# Altium PCB Copy of HV_DCDC.PcbDoc
Units mm, origin at the board's own origin, x right, y up, seen from the top; angles counter-clockwise.
Board outline 116.33 x 120 mm, 2 copper layers (Top Layer, Bottom Layer); 126 components, 83 nets, 340 pads, 14 vias.
Unrouted connection lines stored in the file: 235.
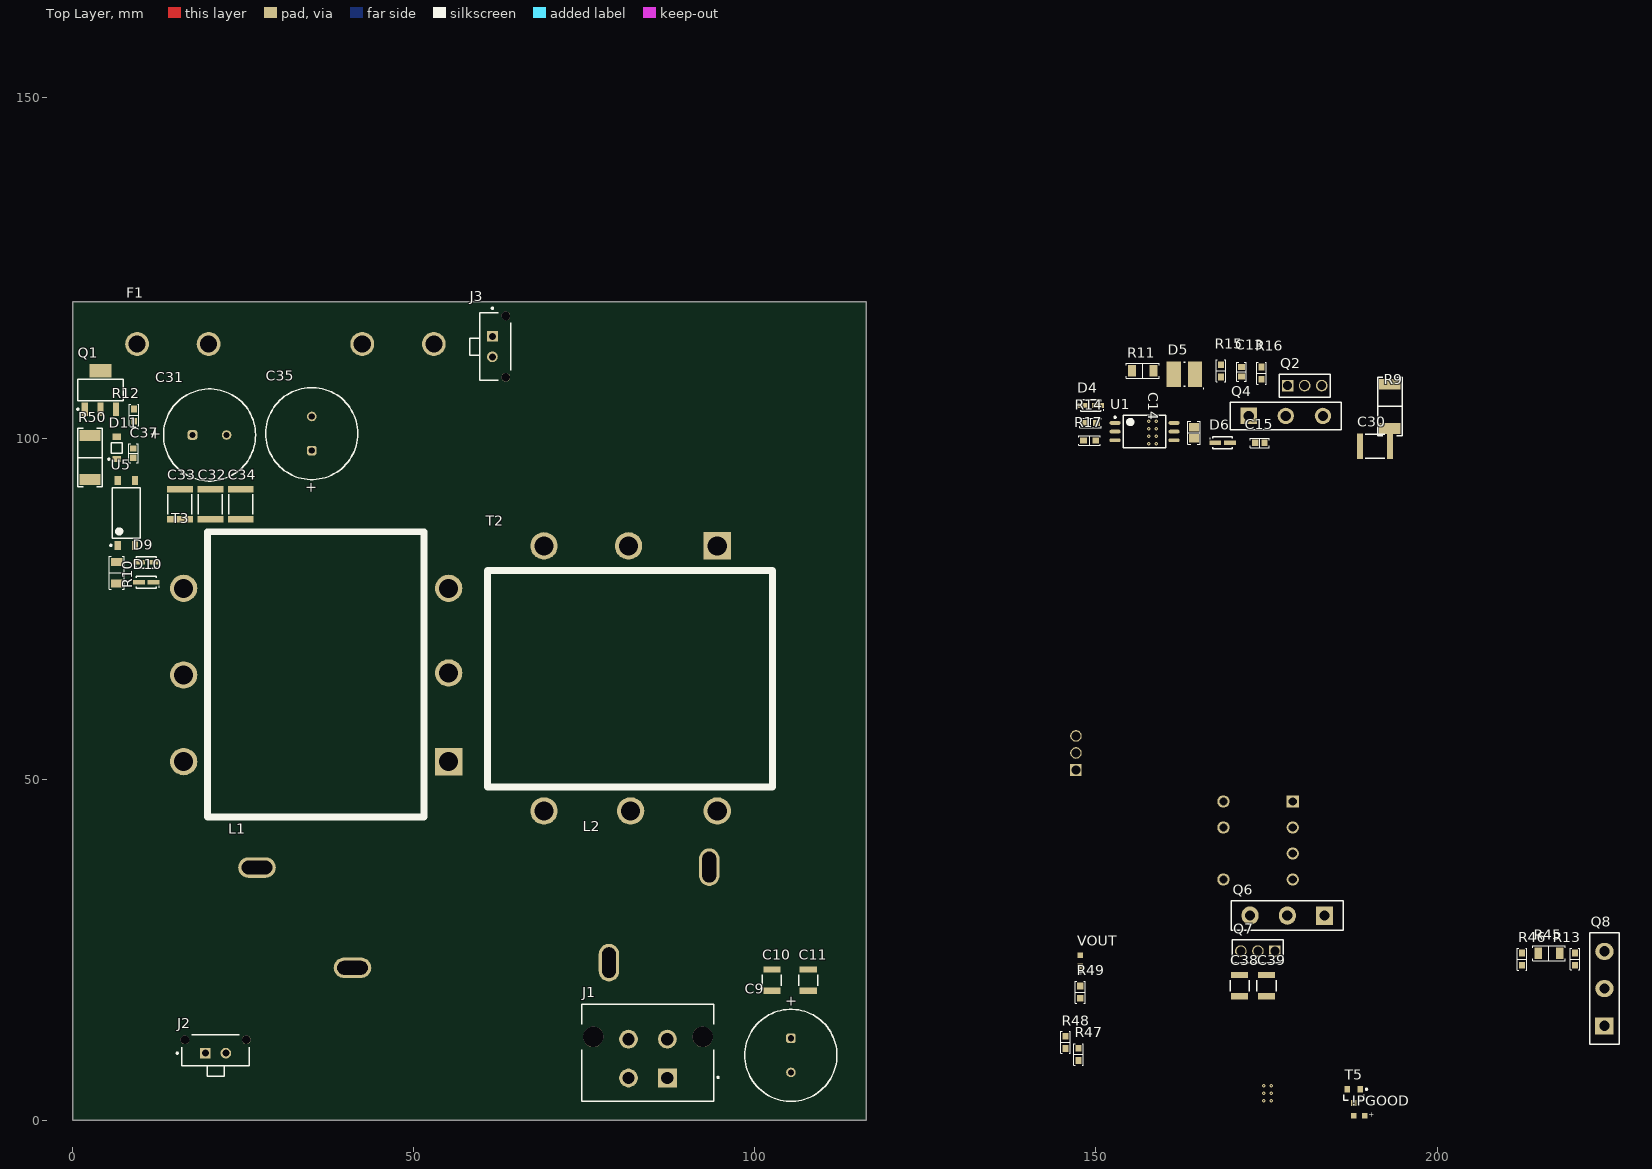
[diagram p0: Top Layer view]
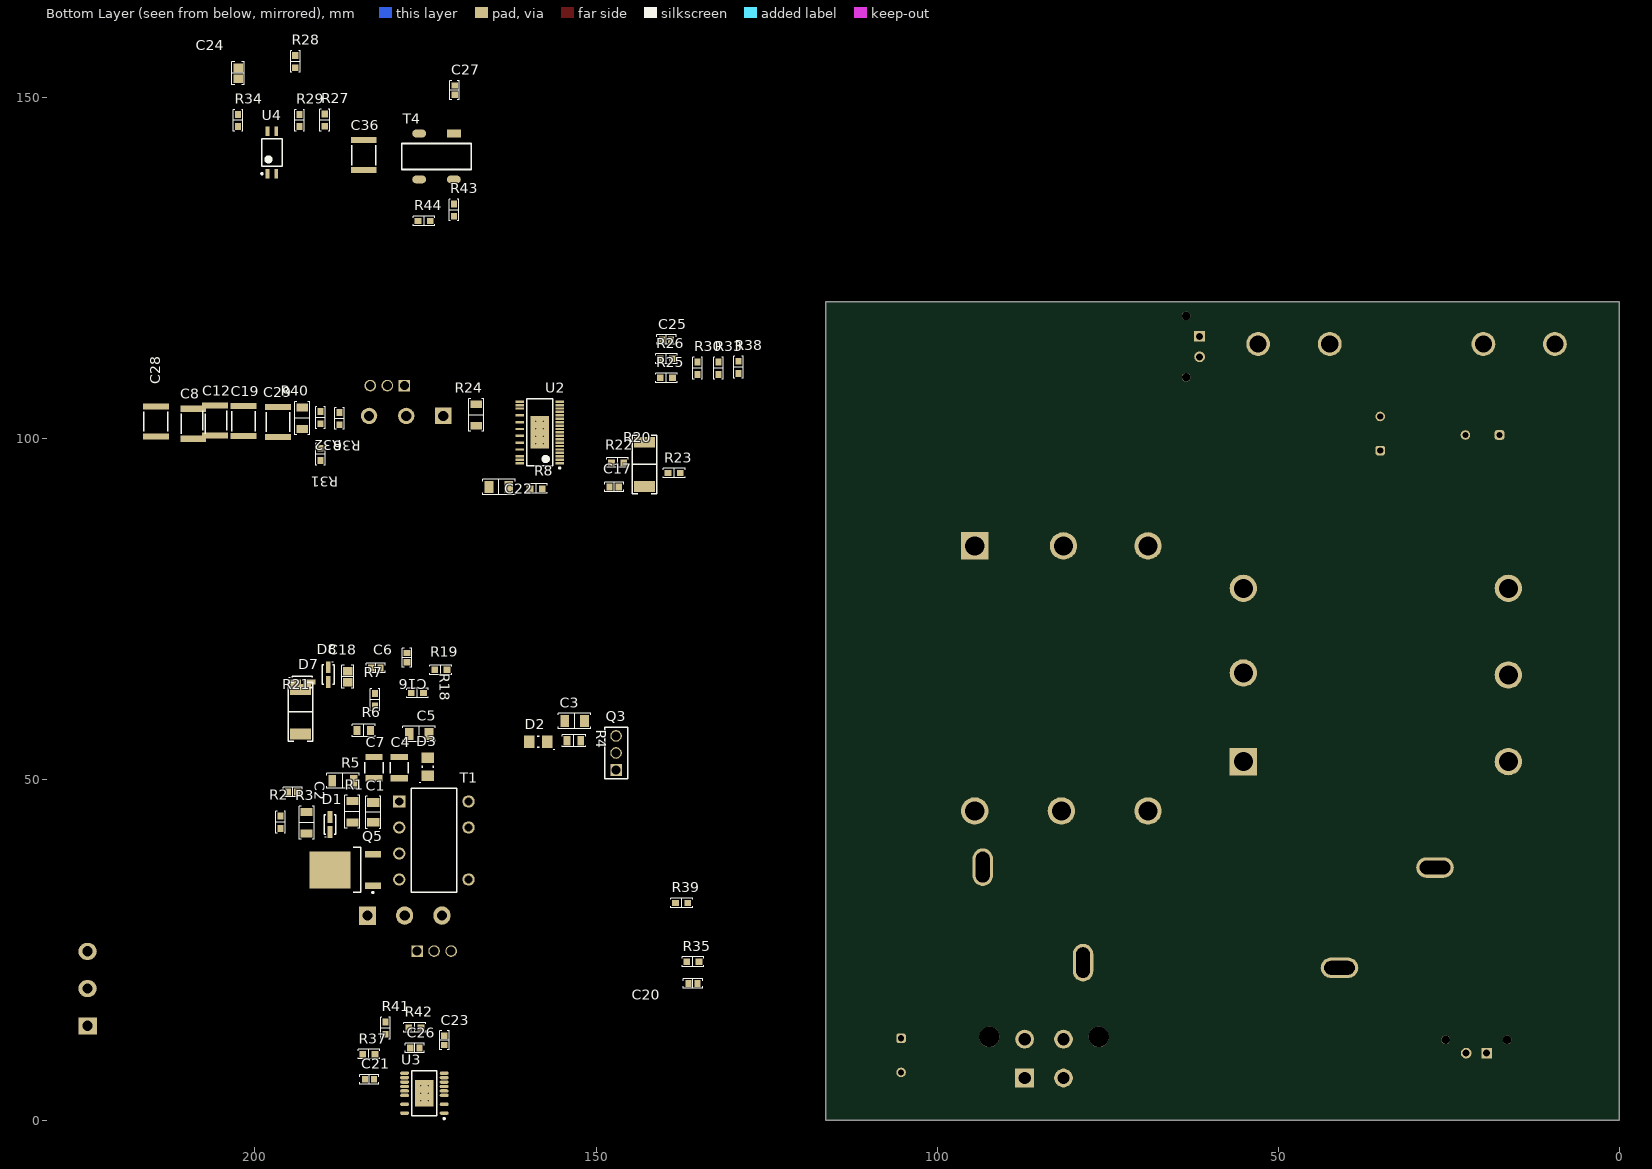
[diagram p1: Bottom Layer view, seen from below]

## Layer stack, top to bottom
Top Solder: solder mask 0.0102, Solder Resist, Dk 3.5
Top Layer: signal copper 0.0356
Dielectric 1: dielectric 0.32, FR-4, Dk 4.8
Bottom Layer: signal copper 0.0356
Bottom Solder: solder mask 0.0102, Solder Resist, Dk 3.5

## Board outline
0,0 116.332,0 116.332,120 0,120

## Design rules (kind name [scope] priority, off if disabled: settings)
Clearance [All] p1: gap=0.254 ignorepadtopadclearanceinfootprint=FALSE except(0: Arc-Hole Track-Hole SMDPad-Hole THPad-Hole Via-Hole Fill-Hole Poly-Hole Region-Hole Text-Hole)
PolygonConnect [All] p1: connectstyle=Relief reliefconductorwidth=0.254 reliefentries=4 polygonreliefangle="90 Angle" airgapwidth=0.254
RoutingVias [All] p1: holewidth=0.711 width=1.27 viastyle="Through Hole" minholewidth=0.711 minwidth=1.27 maxholewidth=0.711 maxwidth=1.27
SolderMaskExpansion [All] p1: expansion=0.102 istentingtop=FALSE
Width [All] p1: maxlimit=0.254 minlimit=0.254 preferedwidth=0.254
30 further rules are at their usual default settings.

## Components (designator, comment, footprint, x,y, rotation, side; value= is the part's Value field where it differs from the comment)
!PGOOD "Red, 2V" WL-SMCW_0603_H=0.7mm 188.595,0.675 r0 top
C1 "SMD Capacitor" "CAP 1206/3216" 182.658,45.138 r270 bottom value="OPT, 800V"
C2 "SMD Capacitor" "CAP 0603/1608" 194.469,48.133 r0 bottom value="150p, Opt"
C3 "SMD Capacitor" "CAP 1206/3216" 153.141,58.547 r0 bottom value="4.7uF, 16V"
C4 "22nF, 1000V" WCAP-CSMH_1210_H1.6 178.848,51.689 r270 bottom
C5 "SMD Capacitor" "CAP 1206/3216" 175.927,56.642 r180 bottom value="22uF, 16V"
C6 "SMD Capacitor" "CAP 0603/1608" 182.277,66.294 r180 bottom value=OPT
C7 "22nF, 1000V" WCAP-CSMH_1210_H1.6 182.531,51.689 r270 bottom
C8 "4.7nF, 2000V" WCAP-CSMH_1812_H2 209.042,102.108 r270 bottom
C9 "2200uF, 25V" WCAP-ATG8_D13H25 105.283,9.525 r90 top
C10 "22uF, 25V" WCAP-CSGP_1210_H=2.5mm 102.489,20.548 r90 top
C11 "22uF, 25V" WCAP-CSGP_1210_H=2.5mm 107.823,20.548 r90 top
C12 "4.7nF, 2000V" WCAP-CSMH_1812_H2 205.867,102.575 r270 bottom
C13 "SMD Capacitor" "CAP 0603/1608" 171.355,109.728 r270 top value=OPT
C14 "SMD Capacitor" "CAP 0805/2012" 164.37,100.785 r270 top value="220nF, 50V"
C15 "SMD Capacitor" "CAP 0603/1608" 174.022,99.314 r0 top value="470pF, 50V"
C16 "SMD Capacitor" "CAP 0603/1608" 177.705,67.818 r90 bottom value=3.3nF
C17 "SMD Capacitor" "CAP 0603/1608" 147.352,92.837 r180 bottom value="470nF, 6.3V"
C18 "SMD Capacitor" "CAP 0805/2012" 186.393,65.02 r90 bottom value="4.7uF, 16V"
C19 "4.7nF, 2000V" WCAP-CSMH_1812_H2 201.676,102.489 r270 bottom
C20 "SMD Capacitor" "CAP 0603/1608" 135.795,20.066 r180 bottom value="4.7uF, 16V"
C21 "SMD Capacitor" "CAP 0603/1608" 183.219,6.009 r0 bottom value="1uF, 6,3V"
C22 "SMD Capacitor" "CAP 1206/3216" 164.243,92.837 r0 bottom value="10uF, 16V"
C23 "SMD Capacitor" "CAP 0603/1608" 172.244,11.724 r270 bottom value="22nF, 16V"
C24 "SMD Capacitor" "CAP 0805/2012" 202.47,153.469 r270 bottom value="1uF, 16V"
C25 "SMD Capacitor" "CAP 0603/1608" 139.68,114.427 r180 bottom value="220nF, 6.3V"
C26 "SMD Capacitor" "CAP 0603/1608" 176.562,10.581 r180 bottom value="68pF, 25V"
C27 "SMD Capacitor" "CAP 0603/1608" 170.72,151.003 r270 bottom value=220p
C28 "4.7nF, 2000V" WCAP-CSMH_1812_H2 214.535,102.448 r90 bottom
C29 "4.7nF, 2000V" WCAP-CSMH_1812_H2 196.628,102.362 r270 bottom
C30 "4.7nF, 2000V" WCAP-CSMH_1812_H2 190.913,98.806 r180 top
C31 "6.8uF, 450V" WCAP-AT1H_D13H20 20.066,100.457 r180 top
C32 "100nF, 630V" WCAP-CSMH_1812_H2 20.193,90.297 r270 top
C33 "100nF, 630V" WCAP-CSMH_1812_H2 15.716,90.297 r270 top
C34 "100nF, 630V" WCAP-CSMH_1812_H2 24.638,90.297 r270 top
C35 "6.8uF, 450V" WCAP-AT1H_D13H20 35.052,100.671 r270 top
C36 "2.2nF, 3000V" WCAP-CSMH_1812_H2.5 184.055,141.478 r90 bottom
C37 "SMD Capacitor" "CAP 0603/1608" 8.89,97.79 r270 top value=100n
C38 "22uF, 25V" WCAP-CSGP_1210_H=2.5mm 171.069,19.725 r270 top
C39 "22uF, 25V" WCAP-CSGP_1210_H=2.5mm 175.006,19.725 r270 top
D1 "OPT" DIOM2715X18N 189.008,43.366 r90 bottom
D2 "SS10200HE_R1_00001" Chip2PinSM127P600-8N 158.456,55.499 r0 bottom
D3 "SS10200HE_R1_00001" Chip2PinSM127P600-8N 174.657,51.816 r90 bottom
D4 "OPT" DIOM2715X18N 149.253,104.767 r180 top
D5 "CMR1U-10TR13" "DIOC4536X24L CMR1U-10" 162.973,109.347 r180 top
D6 "OPT" DIOM2715X18N 168.561,99.314 r0 top
D7 "BAT46WH" DIOM2715X18N 193.072,64.262 r180 bottom
D8 "BAT46WH" DIOM2715X18N 189.262,65.337 r270 bottom
D9 "BAT46WH" DIOM2715X18N 10.795,81.788 r180 top
D10 "BAT46WH" DIOM2715X18N 10.795,78.867 r180 top
D11 "MMSZ4707T1G" ONSC-SOD-123-2-425-04_V 6.477,98.552 r90 top
F1 "10x38 Fuse Holder" "10x38 Fuse" 9.449,113.792 r0 top
J1 "1720650004" FP-1720650004-MFG 84.328,9.906 r0 top
J2 "43650-0229" FP-43650-0229-MFG 20.955,9.525 r180 top
J3 "43650-0229" FP-43650-0229-MFG 61.214,113.411 r90 top
L1 "AGM2222-562ME" AGM2222-562 27.021,37.052 r270 top
L2 "AGM2222-562ME" AGM2222-562 93.313,37.114 r180 top
Q1 "IPN70R450P7SATMA1" SOT230P700X180-4L 4.064,107.061 r90 top
Q2 "STF7N105K5" TO-220-3 178.094,107.696 r90 top
Q3 "IPP019N08NF2SAKMA1" TO-220-3 147.066,51.348 r0 bottom
Q4 "UJ3C120150K3S" TO-247-3 172.392,103.251 r90 top
Q5 "STD2NK100Z" "DPAK TO-252" 186.808,36.703 r0 bottom
Q6 "IXFK240N25X3" TO-264-3 183.514,30.012 r270 top
Q7 "IPP019N08NF2SAKMA1" TO-220-3 176.236,24.805 r270 top
Q8 "IXFK240N25X3" TO-264-3 224.536,13.844 r180 top
R1 "SMD Resistor" "STACKPOLE CSR1206" 185.706,45.212 r270 bottom value=OPT
R2 "SMD Resistor" "STACKPOLE CSR0603" 196.247,43.688 r270 bottom value=499
R3 "KDV12FR200ET" "STACKPOLE CSR1206" 192.437,43.612 r90 bottom value=200m
R4 "SMD Resistor" "STACKPOLE CSR0805" 153.245,55.626 r0 bottom value=10
R5 "SMD Resistor" "STACKPOLE CSR1206" 187.103,49.784 r0 bottom value=2
R6 "SMD Resistor" "STACKPOLE CSR0805" 184.055,57.15 r0 bottom value=10
R7 "SMD Resistor" "STACKPOLE CSR0603" 182.404,61.671 r90 bottom value=10k
R8 "SMD Resistor" "STACKPOLE CSR0603" 158.782,92.583 r180 bottom value=806
R9 "CRCW25122K20FKEG" "STACKPOLE CSRN2512" 193.072,104.648 r270 top value="2.3k, 500V, 1W"
R10 "SMD Resistor" "STACKPOLE CSR1206" 6.477,80.264 r270 top value=745
R11 "SMD Resistor" "STACKPOLE CSR1206" 156.877,109.855 r180 top value=4.42
R12 "SMD Resistor" "STACKPOLE CSR0603" 9.017,103.378 r270 top value=100k
R13 "SMD Resistor" "STACKPOLE CSR0603" 220.218,23.633 r270 top value=1k
R14 "SMD Resistor" "STACKPOLE CSR0603" 149.202,102.227 r0 top value=232
R15 "SMD Resistor" "STACKPOLE CSR0603" 168.307,109.855 r90 top value=3.3
R16 "SMD Resistor" "STACKPOLE CSR0603" 174.276,109.525 r90 top value=10k
R17 "SMD Resistor" "STACKPOLE CSR0603" 149.062,99.642 r0 top value=154
R18 "SMD Resistor" "STACKPOLE CSR0603" 176.181,62.611 r0 bottom value=28k
R19 "SMD Resistor" "STACKPOLE CSR0603" 172.752,66.04 r180 bottom value=78.7k
R20 "CHV2512-FX-1004ELF" "STACKPOLE CSRN2512" 142.875,96.139 r270 bottom value="1M, 3kV, 1W"
R21 "RCV2512750KFKEGAT" "STACKPOLE CSRN2512" 193.326,59.893 r270 bottom value="750k, 3kV, 1W"
R22 "SMD Resistor" "STACKPOLE CSR0603" 146.844,96.393 r180 bottom value=148k
R23 "SMD Resistor" "STACKPOLE CSR0603" 138.557,94.869 r180 bottom value=3.47k
R24 "SMD Resistor" "STACKPOLE CSR1206" 167.545,103.378 r90 bottom value=0
R25 "SMD Resistor" "STACKPOLE CSR0603" 139.68,108.839 r180 bottom value=1.995k
R26 "SMD Resistor" "STACKPOLE CSR0603" 139.68,111.633 r180 bottom value=124k
R27 "SMD Resistor" "STACKPOLE CSR0603" 189.77,146.609 r90 bottom value=1k
R28 "SMD Resistor" "STACKPOLE CSR0603" 194.088,155.194 r270 bottom value=100k
R29 "SMD Resistor" "STACKPOLE CSR0603" 193.453,146.558 r270 bottom value=100k
R30 "SMD Resistor" "STACKPOLE CSR0603" 135.108,110.236 r270 bottom value=40.2k
R31 "SMD Resistor" "STACKPOLE CSR0603" 190.405,97.612 r90 bottom value=20k
R32 "SMD Resistor" "STACKPOLE CSR0603" 190.405,102.997 r90 bottom value=12.7k
R33 "SMD Resistor" "STACKPOLE CSR0603" 132.06,110.236 r270 bottom value=75k
R34 "SMD Resistor" "STACKPOLE CSR0603" 202.47,146.558 r270 bottom value=100
R35 "SMD Resistor" "STACKPOLE CSR0603" 135.795,23.241 r180 bottom value=3.16k
R36 "SMD Resistor" "STACKPOLE CSR0603" 187.611,102.87 r90 bottom value=1.5k
R37 "SMD Resistor" "STACKPOLE CSR0603" 183.293,9.692 r0 bottom value=530k
R38 "SMD Resistor" "STACKPOLE CSR0603" 129.139,110.363 r270 bottom value=10k
R39 "SMD Resistor" "STACKPOLE CSR0603" 137.446,31.877 r180 bottom value=5.62k
R40 "ULR1S-R0055FT2" "STACKPOLE CSR1206" 193.072,102.921 r270 bottom value=5m
R41 "SMD Resistor" "STACKPOLE CSR0603" 180.88,13.502 r90 bottom value=540
R42 "SMD Resistor" "STACKPOLE CSR0603" 176.562,13.629 r0 bottom value=10k
R43 "SMD Resistor" "STACKPOLE CSR0603" 170.847,133.426 r270 bottom value=309
R44 "SMD Resistor" "STACKPOLE CSR0603" 175.216,131.826 r180 bottom value=200
R45 "AC1206FR-071M2L" "STACKPOLE CSR1206" 216.408,24.511 r0 top value=1.2m
R46 "SMD Resistor" "STACKPOLE CSR0603" 212.471,23.622 r270 top value=1k
R47 "SMD Resistor" "STACKPOLE CSR0603" 147.447,9.652 r90 top value=500
R48 "SMD Resistor" "STACKPOLE CSR0603" 145.542,11.419 r270 top value=100k
R49 "SMD Resistor" "STACKPOLE CSR0603" 147.701,18.785 r90 top value=1.04k
R50 "CHV2512-FX-1004ELF" "STACKPOLE CSRN2512" 2.54,97.155 r90 top value="1M, 3kV, 1W"
T1 "750817020" "750817020 Transformer" 178.848,46.736 r180 bottom
T2 "R41-AC-2202" "R41-AC-2202 Landing Pattern" 94.488,84.201 r270 top
T3 "R41-AC-2202" "R41-AC-2202 Landing Pattern" 55.118,52.578 r180 top
T4 "PE-68386NLT" "PE-68386NL Landing Pattern" 170.847,144.653 r270 bottom
T5 "BC848BLT1G" ONSC-SOT-23-3-318-08_V 187.766,3.561 r270 top
U1 "ACPL-P346-000E" "SOP-6 Stretched" 157.127,100.957 r0 top
U2 "LT3752EFE-1#PBF" TSSOP127P600-8N 158.274,100.838 r0 bottom
U3 "LT8311EFE#PBF" "TSSOP 20 Lead LT8311" 175.165,3.977 r0 bottom
U4 "PS2801C-1-V-F3-A" SSOP127P700X200-4L 197.517,141.859 r90 bottom
U5 "TCLT1000" VISH-SOP4L-4_V 7.874,89.027 r90 top
VOUT "Green, 3.2V" WL-SMCW_0603_H=0.7mm 147.701,23.368 r270 top

## Footprints (in the part's own frame and the unit in brackets; to place one, negate y for a bottom-side part, rotate by r counter-clockwise, add the part's x,y. Pads: shape width x height; smd on the part's side, far side on the other; paste and mask are expansions set on the pad)
"10x38 Fuse" [mm]
  round 3.5 hole 2.5: 1(0,0) 1(10.49,0) 2(33,0) 2(43.49,0)
  body extent -0.74,-6 43.75,6, height 19
"750817020 Transformer" [mm]
  rect 1.8x1.8 hole 1.2: 1(0,0)
  round 1.8 hole 1.2: 2(0,-3.81) 3(0,-7.62) 4(0,-11.43) 5(10.16,-11.43) 7(10.16,-3.81) 8(10.16,0)
  silkscreen extent 1.73,-13.33 8.43,1.9
AGM2222-562 [mm]
  oval 3x5.5 hole 2 slot 4.5 at 90 deg: 1(0,0) 2(14.7,14)
  body extent -4.2,-4.5 18.8,18.5, height 23
"CAP 0603/1608" [mm] "Chip Capacitor, 2-Leads, Body 1.60x0.80mm, IPC Medium Density"
  rect 0.9x1 smd: 1(-0.675,0) 2(0.675,0)
  silkscreen extent -1.4,-0.7 1.4,0.7, body extent -0.8,-0.41 0.8,0.41, height 0.82
"CAP 0805/2012" [mm] "Chip Capacitor, 2-Leads, Body 2.00x1.20mm, IPC Medium Density"
  rect 1.3x1.4 smd: 1(-0.8,0) 2(0.8,0)
  silkscreen extent -1.7,-0.9 1.7,0.9, body extent -1,-0.64 1,0.64, height 1.26
"CAP 1206/3216" [mm] "Chip Capacitor, 2-Leads, Body 3.25x1.60mm, IPC Medium Density"
  rect 1.3x1.8 smd: 1(-1.45,0) 2(1.45,0)
  silkscreen extent -2.37,-1.12 2.37,1.12, body extent -1.6,-0.81 1.6,0.81, height 1.62
Chip2PinSM127P600-8N [mm] "SS10200HE landing Pattern"
  rect 1.55x1.85 smd: 1(-1.325,0) 2(1.325,0)
  silkscreen extent -2.36,-0.82 0.15,1.19, body extent -1.95,-0.95 1.95,0.95, height 1
"DIOC4536X24L CMR1U-10" [mm] "Chip Diode, 2-Leads, Body 4,46x3,56mm, IPC High Density"
  rect 2.1x3.75 smd: 1(-1.55,0) 2(1.55,0)
  silkscreen extent -2.86,-1.78 0.1,2.14, body extent -2.42,-1.91 2.43,1.91, height 2.44
DIOM2715X18N [mm] "Molded Diode, 2-Leads, Body 2,70x1,55mm, IPC Medium Density"
  rect 1.75x0.7 smd: 1(-1.075,0) 2(1.075,0)
  silkscreen extent -1.9,-0.85 1.45,0.85, body extent -1.65,-0.85 1.65,0.85, height 1.8
"DPAK TO-252" [mm] "DPAK High density"
  rect 2.3x0.95 smd: 1(-4.1,2.29) 2(-4.1,-2.29)
  rect 6x5.45 smd: 3(2.2,0)
  silkscreen extent -4.22,-3.3 -1.2,3.44, body extent -2.35,-3.3 3.85,3.3, height 2.4
FP-43650-0229-MFG [mm]
  rect 1.57x1.57 hole 1.02 paste-1000 mask+0: 1(1.5,-0.315)
  round 1.57 hole 1.02 paste-1000 mask+0: 2(-1.5,-0.315)
  round 1.27 hole 1.27 unplated paste-1000 mask+0: ""(-4.5,-2.275) ""(4.5,-2.275)
  silkscreen extent -4.95,-3.04 5.75,3.04, body extent -5.24,-3.14 5.24,3.14, height 0.25
FP-1720650004-MFG [mm]
  rect 2.75x2.75 hole 1.8 paste-1000 mask+0: 1(2.85,-3.705)
  round 2.75 hole 1.8 paste-1000 mask+0: 2(-2.85,-3.705) 3(2.85,1.995) 4(-2.85,1.995)
  round 3 hole 3 unplated paste-1000 mask+0: ""(-8.02,2.32) ""(8.02,2.32)
  silkscreen extent -9.67,-7.14 10.4,7.14, body extent -9.77,-7.24 9.77,7.24, height 0.25
ONSC-SOD-123-2-425-04_V [mm] "SOD, 2-Leads, Body 2.69x1.6mm"
  rect 0.91x1.22 smd: 1(-1.635,0) 2(1.635,0)
  silkscreen extent -1.76,-0.8 0.78,1.28, body extent -1.35,-0.8 1.35,0.8, height 1.35
ONSC-SOT-23-3-318-08_V [mm] "SOT23, 3-Leads, Body 2.92x1.3mm, Pitch 0.95mm"
  rect 0.9x0.8 smd: 1(-1,0.95) 2(-1,-0.95) 3(1,0)
  silkscreen extent -1.12,-1.46 0.65,2.03, body extent -0.65,-1.46 0.65,1.46, height 1.11
"PE-68386NL Landing Pattern" [mil]
  rect 45x80 smd: 1(0,0)
  oval 45x80 smd: 3(0,-200) 4(265,-200) 6(265,0)
  silkscreen extent 57,-300 208,100
"R41-AC-2202 Landing Pattern" [mm]
  round 4 hole 2.8: 0(0,-13) 5(0,-25.4) 6(38.85,-25.4) 7(38.85,-12.7) 8(38.85,0)
  rect 4x4 hole 2.8: 1(0,0)
  silkscreen extent 3.6,-33.7 35.35,8.1, body extent -2.15,-33.8 40.75,8.4, height 15.2
"SOP-6 Stretched" [mm] "ACPL-P346"
  oval 1.65x0.55 smd: 1(-4.325,1.27) 2(-4.325,0) 3(-4.325,-1.27) 4(4.325,-1.27) 5(4.325,0) 6(4.325,1.27)
  silkscreen extent -4.45,-2.4 3.1,2.4, body extent -3.5,-2.4 3.5,2.4, height 3.3
SOT230P700X180-4L [mm] "SOT223, 4-Leads, Body 6,50x7,00mm (avg), Pitch 2,30mm, IPC High Density"
  rect 1.95x0.9 smd: 1(-2.825,2.3) 2(-2.825,0) 3(-2.825,-2.3)
  rect 1.95x3.25 smd: 4(2.825,0)
  silkscreen extent -2.95,-3.35 1.55,3.42, body extent -1.85,-3.35 1.85,3.35, height 1.8
SSOP127P700X200-4L [mm] "SSOP, 4-Leads, Body 2,70x4,40mm, Pitch 1,27mm, IPC High Density"
  rect 1.4x0.55 smd: 1(-3.1,0.635) 2(-3.1,-0.635) 3(3.1,-0.635) 4(3.1,0.635)
  silkscreen extent -3.22,-1.5 2,1.59, body extent -2.2,-1.5 2.2,1.5, height 2
"STACKPOLE CSR0603" [mm] "Chip Resistor, 2-Leads, Body 1.60x0.80mm, IPC Medium Density"
  rect 1x0.9 smd: 1(-0.9,0) 2(0.9,0)
  silkscreen extent -1.6,-0.7 1.6,0.7, body extent -0.85,-0.4 0.85,0.4, height 0.45
"STACKPOLE CSR0805" [mm] "Chip Resistor, 2-Leads, Body 2.00x1.25mm, IPC Medium Density"
  rect 1x1.35 smd: 1(-1,0) 2(1,0)
  silkscreen extent -1.7,-0.9 1.7,0.9, body extent -1.05,-0.63 1.05,0.62, height 0.55
"STACKPOLE CSR1206" [mm] "Chip Resistor, 2-Leads, Body 3.13x1.55mm, IPC Medium Density"
  rect 1.15x1.7 smd: 1(-1.575,0) 2(1.575,0)
  silkscreen extent -2.4,-1.1 2.4,1.1, body extent -1.6,-0.78 1.6,0.77, height 0.55
"STACKPOLE CSRN2512" [mm] "Chip Resistor, 2-Leads, Body 6.40x3.20mm, IPC Medium Density"
  rect 1.6x3.1 smd: 1(-3.25,0) 2(3.25,0)
  silkscreen extent -4.3,-1.8 4.3,1.8, body extent -3.25,-1.58 3.25,1.57, height 0.6
TO-220-3 [mm]
  rect 1.7x1.7 hole 1.3: 1(0,0)
  round 1.7 hole 1.3: 2(0,-2.5) 3(0,-5)
  silkscreen extent -1.68,-6.25 1.68,1.25
TO-247-3 [mm]
  rect 2.4x2.4 hole 1.5: 1(0,0)
  round 2.4 hole 1.5: 2(0,-5.44) 3(0,-10.88)
  silkscreen extent -2.03,-13.6 2.03,2.72
TO-264-3 [mm]
  rect 2.7x2.5 / inner rect 2.5x2.5 / far side rect 2.7x2.5 hole 1.5: 1(0,0)
  oval 2.7x2.5 / inner round 2.5 / far side oval 2.7x2.5 hole 1.5: 2(0,-5.46) 3(0,-10.92)
  silkscreen extent -2.18,-13.65 2.18,2.73
TSSOP127P600-8N [mm] "TSSOP 38 Lead LT 3752-1 w. missing Leads for Spacing"
  rect 1.25x0.35 smd: 1(-2.925,4.5) 2(-2.925,4) 3(-2.925,3.5) 4(-2.925,3) 5(-2.925,2.5) 6(-2.925,2) 7(-2.925,1.5) 8(-2.925,1) 9(-2.925,0.5) 10(-2.925,0) 11(-2.925,-0.5) 12(-2.925,-1) 13(-2.925,-1.5) 14(-2.925,-2) 15(-2.925,-2.5) 16(-2.925,-3) 17(-2.925,-3.5) 18(-2.925,-4) 19(-2.925,-4.5) 20(2.925,-4.5) 21(2.925,-4) 22(2.925,-3.5) 24(2.925,-2.5) 26(2.925,-1.5) 28(2.925,-0.5) 30(2.925,0.5) 32(2.925,1.5) 34(2.925,2.5) 36(2.925,3.5) 37(2.925,4) 38(2.925,4.5)
  rect 2.74x4.75 smd: 39(0,0)
  silkscreen extent -3.05,-4.9 1.9,5.35, body extent -2.25,-4.9 2.25,4.9, height 1.2
"TSSOP 20 Lead LT8311" [mm] "TSSOP 20 Lead LT8311 with missing pins for clearance"
  oval 1.3x0.5 smd: 1(-2.9,2.925) 3(-2.9,1.625) 5(-2.9,0.325) 6(-2.9,-0.325) 7(-2.9,-0.975) 8(-2.9,-1.625) 9(-2.9,-2.275) 10(-2.9,-2.925) 11(2.9,-2.925) 12(2.9,-2.275) 13(2.9,-1.625) 14(2.9,-0.975) 15(2.9,-0.325) 16(2.9,0.325) 18(2.9,1.625) 20(2.9,2.925)
  rect 2.74x3.86 smd: 21(0,0)
  silkscreen extent -3.02,-3.3 1.85,3.85, body extent -2.25,-3.3 2.25,3.3, height 1.2
VISH-SOP4L-4_V [mm] "SOP, 4-Leads, Body 4.1x7.7mm, Pitch 2.54mm"
  rect 1.3x0.9 smd: 1(-4.75,1.27) 2(-4.75,-1.27) 3(4.75,-1.27) 4(4.75,1.27)
  silkscreen extent -4.87,-2.05 3.7,2.39, body extent -5.07,-2.05 5.07,2.05, height 2.3
WCAP-AT1H_D13H20 [mm] "Aluminium Electrolytic Radial THD Capacitors, 13x20mm"
  rrect50% 1.4x1.4 hole 0.9: 1(2.5,0)
  round 1.4 hole 0.9: 2(-2.5,0)
  silkscreen extent -6.75,-6.75 6.75,6.75, body extent -6.49,-6.5 6.5,6.5, height 20.26
WCAP-ATG8_D13H25 [mm] "Aluminum Electrolytic Capacitors, 13x25mm"
  rrect50% 1.4x1.4 hole 0.9: 1(2.5,0)
  round 1.4 hole 0.9: 2(-2.5,0)
  silkscreen extent -6.75,-6.75 6.75,6.75, body extent -6.49,-6.5 6.5,6.5, height 25.31
WCAP-CSGP_1210_H=2.5mm [mm] "Ceramic Capacitors, body 3.2x2.5mm"
  rect 0.9x2.5 smd: 1(-1.55,0) 2(1.55,0)
  silkscreen extent -0.8,-1.4 0.8,1.4, body extent -1.6,-1.25 1.6,1.25, height 2.5
WCAP-CSMH_1210_H1.6 [mm] "Ceramic Capacitors, body 3.2x2.5mm"
  rect 0.9x2.5 smd: 1(-1.55,0) 2(1.55,0)
  silkscreen extent -0.8,-1.35 0.8,1.35, body extent -1.6,-1.25 1.6,1.25, height 1.6
WCAP-CSMH_1812_H2 [mm] "Ceramic Capacitors, body 4.5x3.2mm"
  rect 0.9x3.8 smd: 1(-2.2,0) 2(2.2,0)
  silkscreen extent -1.45,-1.75 1.45,1.75, body extent -2.25,-1.6 2.25,1.6, height 2
WCAP-CSMH_1812_H2.5 [mm] "Ceramic Capacitors, body 4.5x3.2mm"
  rect 0.9x3.8 smd: 1(-2.2,0) 2(2.2,0)
  silkscreen extent -1.45,-1.75 1.45,1.75, body extent -2.25,-1.6 2.25,1.6, height 2.5
WL-SMCW_0603_H=0.7mm [mm] "SMD Mono-color Chip LED, body 1.6x0.8mm"
  rect 0.8x0.8 smd: 1(-0.8,0) 2(0.8,0)
  body extent -0.8,-0.4 0.8,0.4, height 0.7
